# Altium PCB Holberton.PcbDoc (part 2 of 6)
Units mil, origin at the board's own origin, x right, y up, seen from the top; angles counter-clockwise.
Board outline 2963.39 x 3031.46 mil, 6 copper layers (Top Layer, GND, SL1, SL2, PWR, Bottom Layer), stack 30.516 mil thick; 455 components, 409 nets, 1505 pads, 1106 vias.
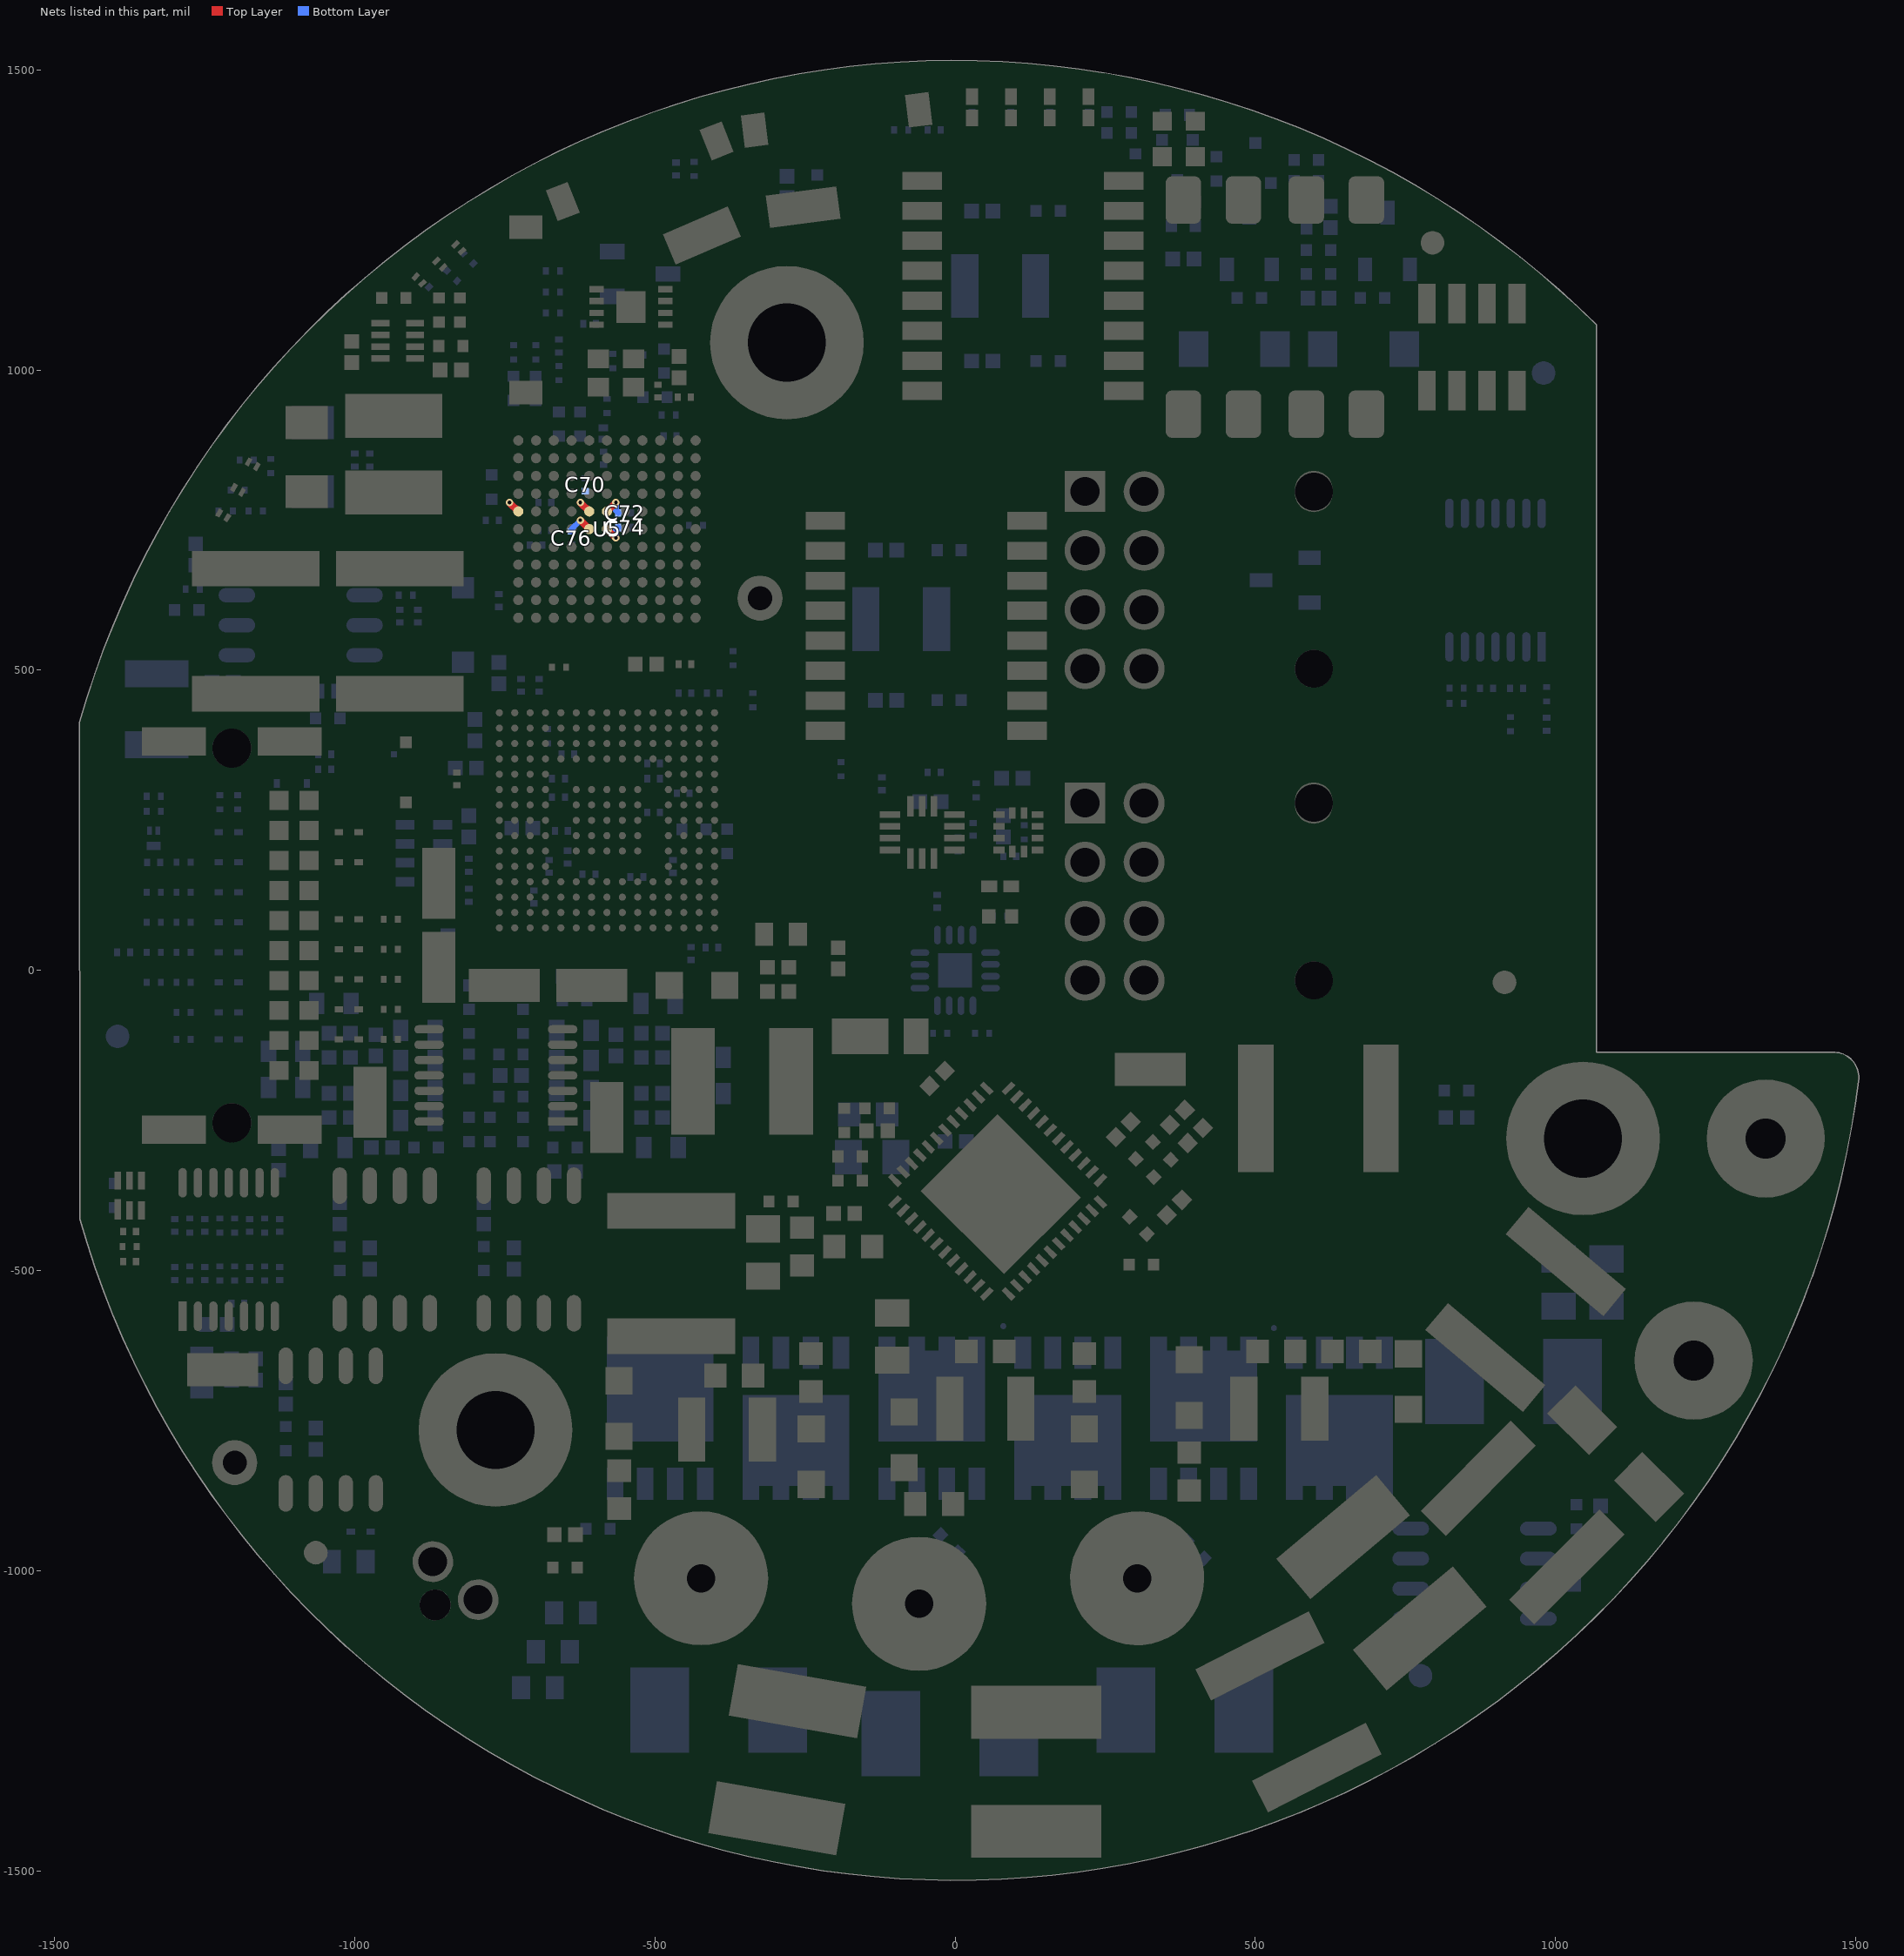
[diagram p6: the nets of this part, all layers, seen from the top]

## Footprints (in the part's own frame and the unit in brackets; to place one, negate y for a bottom-side part, rotate by r counter-clockwise, add the part's x,y. Pads: shape width x height; smd on the part's side, far side on the other; paste and mask are expansions set on the pad) (continued)
BGA121C75P11X11_900X900X145 [mil]
  round 17 smd paste-0.98 mask+1.97: A1(-147.64,147.64) A2(-118.11,147.64) A3(-88.58,147.64) A4(-59.06,147.64) A5(-29.53,147.64) A6(0,147.64) A7(29.53,147.64) A8(59.06,147.64) A9(88.58,147.64) A10(118.11,147.64) A11(147.64,147.64) B1(-147.64,118.11) B2(-118.11,118.11) B3(-88.58,118.11) B4(-59.06,118.11) B5(-29.53,118.11) B6(0,118.11) B7(29.53,118.11) B8(59.06,118.11) B9(88.58,118.11) B10(118.11,118.11) B11(147.64,118.11) C1(-147.64,88.58) C2(-118.11,88.58) C3(-88.58,88.58) C4(-59.06,88.58) C5(-29.53,88.58) C6(0,88.58) C7(29.53,88.58) C8(59.06,88.58) C9(88.58,88.58) C10(118.11,88.58) C11(147.64,88.58) D1(-147.64,59.06) D2(-118.11,59.06) D3(-88.58,59.06) D4(-59.06,59.06) D5(-29.53,59.06) D6(0,59.06) D7(29.53,59.06) D8(59.06,59.06) D9(88.58,59.06) D10(118.11,59.06) D11(147.64,59.06) E1(-147.64,29.53) E2(-118.11,29.53) E3(-88.58,29.53) E4(-59.06,29.53) E5(-29.53,29.53) E6(0,29.53) E7(29.53,29.53) E8(59.06,29.53) E9(88.58,29.53) E10(118.11,29.53) E11(147.64,29.53) F1(-147.64,0) F2(-118.11,0) F3(-88.58,0) F4(-59.06,0) F5(-29.53,0) F6(0,0) F7(29.53,0) F8(59.06,0) F9(88.58,0) F10(118.11,0) F11(147.64,0) G1(-147.64,-29.53) G2(-118.11,-29.53) G3(-88.58,-29.53) G4(-59.06,-29.53) G5(-29.53,-29.53) G6(0,-29.53) G7(29.53,-29.53) G8(59.06,-29.53) G9(88.58,-29.53) G10(118.11,-29.53) G11(147.64,-29.53) H1(-147.64,-59.06) H2(-118.11,-59.06) H3(-88.58,-59.06) H4(-59.06,-59.06) H5(-29.53,-59.06) H6(0,-59.06) H7(29.53,-59.06) H8(59.06,-59.06) H9(88.58,-59.06) H10(118.11,-59.06) H11(147.64,-59.06) J1(-147.64,-88.58) J2(-118.11,-88.58) J3(-88.58,-88.58) J4(-59.06,-88.58) J5(-29.53,-88.58) J6(0,-88.58) J7(29.53,-88.58) J8(59.06,-88.58) J9(88.58,-88.58) J10(118.11,-88.58) J11(147.64,-88.58) K1(-147.64,-118.11) K2(-118.11,-118.11) K3(-88.58,-118.11) K4(-59.06,-118.11) K5(-29.53,-118.11) K6(0,-118.11) K7(29.53,-118.11) K8(59.06,-118.11) K9(88.58,-118.11) K10(118.11,-118.11) K11(147.64,-118.11) L1(-147.64,-147.64) L2(-118.11,-147.64) L3(-88.58,-147.64) L4(-59.06,-147.64) L5(-29.53,-147.64) L6(0,-147.64) L7(29.53,-147.64) L8(59.06,-147.64) L9(88.58,-147.64) L10(118.11,-147.64) L11(147.64,-147.64)
  silkscreen extent -177,-177 177,177, body extent -177,-177 177,177, height 55
BGS201C65P15X15_1000X1000X60 [mm]
  round 0.3 smd mask+0.05: A1(-4.55,4.55) A2(-3.9,4.55) A3(-3.25,4.55) A4(-2.6,4.55) A5(-1.95,4.55) A6(-1.3,4.55) A7(-0.65,4.55) A8(0,4.55) A9(0.65,4.55) A10(1.3,4.55) A11(1.95,4.55) A12(2.6,4.55) A13(3.25,4.55) A14(3.9,4.55) A15(4.55,4.55) B1(-4.55,3.9) B2(-3.9,3.9) B3(-3.25,3.9) B4(-2.6,3.9) B5(-1.95,3.9) B6(-1.3,3.9) B7(-0.65,3.9) B8(0,3.9) B9(0.65,3.9) B10(1.3,3.9) B11(1.95,3.9) B12(2.6,3.9) B13(3.25,3.9) B14(3.9,3.9) B15(4.55,3.9) C1(-4.55,3.25) C2(-3.9,3.25) C3(-3.25,3.25) C4(-2.6,3.25) C5(-1.95,3.25) C6(-1.3,3.25) C7(-0.65,3.25) C8(0,3.25) C9(0.65,3.25) C10(1.3,3.25) C11(1.95,3.25) C12(2.6,3.25) C13(3.25,3.25) C14(3.9,3.25) C15(4.55,3.25) D1(-4.55,2.6) D2(-3.9,2.6) D3(-3.25,2.6) D4(-2.6,2.6) D5(-1.95,2.6) D6(-1.3,2.6) D7(-0.65,2.6) D8(0,2.6) D9(0.65,2.6) D10(1.3,2.6) D11(1.95,2.6) D12(2.6,2.6) D13(3.25,2.6) D14(3.9,2.6) D15(4.55,2.6) E1(-4.55,1.95) E2(-3.9,1.95) E3(-3.25,1.95) E4(-2.6,1.95) E12(2.6,1.95) E13(3.25,1.95) E14(3.9,1.95) E15(4.55,1.95) F1(-4.55,1.3) F2(-3.9,1.3) F3(-3.25,1.3) F4(-2.6,1.3) F6(-1.3,1.3) F7(-0.65,1.3) F8(0,1.3) F9(0.65,1.3) F10(1.3,1.3) F12(2.6,1.3) F13(3.25,1.3) F14(3.9,1.3) F15(4.55,1.3) G1(-4.55,0.65) G2(-3.9,0.65) G3(-3.25,0.65) G4(-2.6,0.65) G6(-1.3,0.65) G7(-0.65,0.65) G8(0,0.65) G9(0.65,0.65) G10(1.3,0.65) G12(2.6,0.65) G13(3.25,0.65) G14(3.9,0.65) G15(4.55,0.65) H1(-4.55,0) H2(-3.9,0) H3(-3.25,0) H4(-2.6,0) H6(-1.3,0) H7(-0.65,0) H8(0,0) H9(0.65,0) H10(1.3,0) H12(2.6,0) H13(3.25,0) H14(3.9,0) H15(4.55,0) J1(-4.55,-0.65) J2(-3.9,-0.65) J3(-3.25,-0.65) J4(-2.6,-0.65) J6(-1.3,-0.65) J7(-0.65,-0.65) J8(0,-0.65) J9(0.65,-0.65) J10(1.3,-0.65) J12(2.6,-0.65) J13(3.25,-0.65) J14(3.9,-0.65) J15(4.55,-0.65) K1(-4.55,-1.3) K2(-3.9,-1.3) K3(-3.25,-1.3) K4(-2.6,-1.3) K6(-1.3,-1.3) K7(-0.65,-1.3) K8(0,-1.3) K9(0.65,-1.3) K10(1.3,-1.3) K12(2.6,-1.3) K13(3.25,-1.3) K14(3.9,-1.3) K15(4.55,-1.3) L1(-4.55,-1.95) L2(-3.9,-1.95) L3(-3.25,-1.95) L4(-2.6,-1.95) L12(2.6,-1.95) L13(3.25,-1.95) L14(3.9,-1.95) L15(4.55,-1.95) M1(-4.55,-2.6) M2(-3.9,-2.6) M3(-3.25,-2.6) M4(-2.6,-2.6) M5(-1.95,-2.6) M6(-1.3,-2.6) M7(-0.65,-2.6) M8(0,-2.6) M9(0.65,-2.6) M10(1.3,-2.6) M11(1.95,-2.6) M12(2.6,-2.6) M13(3.25,-2.6) M14(3.9,-2.6) M15(4.55,-2.6) N1(-4.55,-3.25) N2(-3.9,-3.25) N3(-3.25,-3.25) N4(-2.6,-3.25) N5(-1.95,-3.25) N6(-1.3,-3.25) N7(-0.65,-3.25) N8(0,-3.25) N9(0.65,-3.25) N10(1.3,-3.25) N11(1.95,-3.25) N12(2.6,-3.25) N13(3.25,-3.25) N14(3.9,-3.25) N15(4.55,-3.25) P1(-4.55,-3.9) P2(-3.9,-3.9) P3(-3.25,-3.9) P4(-2.6,-3.9) P5(-1.95,-3.9) P6(-1.3,-3.9) P7(-0.65,-3.9) P8(0,-3.9) P9(0.65,-3.9) P10(1.3,-3.9) P11(1.95,-3.9) P12(2.6,-3.9) P13(3.25,-3.9) P14(3.9,-3.9) P15(4.55,-3.9) R1(-4.55,-4.55) R2(-3.9,-4.55) R3(-3.25,-4.55) R4(-2.6,-4.55) R5(-1.95,-4.55) R6(-1.3,-4.55) R7(-0.65,-4.55) R8(0,-4.55) R9(0.65,-4.55) R10(1.3,-4.55) R11(1.95,-4.55) R12(2.6,-4.55) R13(3.25,-4.55) R14(3.9,-4.55) R15(4.55,-4.55)
  silkscreen extent -5,-5 5,5, body extent -5,-5 5,5, height 0.6
C0201 [mm] "Chip Capacitor, 2-Leads, Body 0.6x0.3mm, IPC High Density"
  rect 0.26x0.32 smd mask+0.05: 1(-0.27,0) 2(0.27,0)
  body extent -0.31,-0.17 0.32,0.17, height 0.33
C0402 [mm] "Chip Capacitor, 2-Leads, Body 1.0x0.5mm, IPC High Density"
  rect 0.62x0.62 smd mask+0.05: 1(-0.45,0) 2(0.45,0)
  body extent -0.53,-0.28 0.53,0.28, height 0.55
C0603 [mm] "Chip Capacitor, 2-Leads, Body 1.6x0.8mm, IPC High Density"
  rect 0.95x1 smd mask+0.05: 1(-0.8,0) 2(0.8,0)
  silkscreen extent -0.1,-0.4 0.1,0.4, body extent -0.8,-0.4 0.8,0.4, height 0.9
C0805 [mm] "Chip Capacitor, 2-Leads, Body 2.0x1.3mm, IPC High Density"
  rect 1.15x1.45 smd mask+0.05: 1(-1,0) 2(1,0)
  silkscreen extent -0.25,-0.65 0.25,0.65, body extent -1,-0.62 1,0.63, height 1.4
C1206 [mil] "Chip Capacitor, Body 3.2x1.6mm, IPC High Density, CHECKED BY DN_TN - 06Dec22"
  rect 55x70 smd mask+2.5: 1(-57.5,0) 2(57.5,0)
  Top Layer keep-out region: -24.96,-35 25.04,-35 25.04,35 -24.96,35
  silkscreen extent -95,-45 95,45, body extent -63,-31 63,32, height 71
C1210 [mm] "Chip Capacitor, 2-Leads, Body 3.2x2.5mm, IPC High Density"
  rect 1.15x2.7 smd mask+0.05: 1(-1.5,0) 2(1.5,0)
  silkscreen extent -0.7,-1.25 0.7,1.25, body extent -1.6,-1.25 1.6,1.25, height 1.78
C2220 [mm] "Chip Capacitor, 2-Leads, Body 5.7x5.0mm, IPC High Density"
  rect 1.5x5.4 smd mask+0.05: 1(-2.65,0) 2(2.65,0)
  silkscreen extent -1.68,-2.5 1.68,2.5, body extent -2.8,-2.5 2.8,2.5, height 2.54
CAP_CKG57NX7S2A226M500JJ [mil] "CKG57NX7S2A226M500JJ  [TDK], CREATED BY DN_MN-10NOV23, CHECKED BY DN_AV-10NOV23;CHECKED BY DN_QN - 10NOV23(pastemask)"
  rect 87.99x217 smd paste-100 mask+2.5: 1(-99.11,0) 2(99.11,0)
  silkscreen extent -47,-116 47,116, body extent -118,-98 118,98, height 217
COILCRAFT_LPS3015-473 [mil] "LPS3015-473MRB ; CREATED BY DN_TN - 01DEC22,CHECKED BY DN_AV-06DEC22"
  rect 10x10 smd paste-20: 1(-50,0) 2(50,0)
  Top Layer region: 20,60 55,60 65,50 65,-50 55,-60 20,-60 20,-32.5 35,-20 35,20 20,32.5 20,60
  Top Layer region: -20,60 -55,60 -65,50 -65,-50 -55,-60 -20,-60 -20,-32.5 -35,-20 -35,20 -20,32.5 -20,60
  silkscreen extent -14,-60 14,60, body extent -58,-58 58,58, height 55
CON_M55-7102042R [mm] "M55-7102042R  [HARWIN], CREATED BY DN_AV - 02DEC22;CHECKED BY DN_QN - 07DEC22,decreased keepout to support layout by DN_MN-30OCT23"
  rect 0.8x0.8 smd mask+0.064: 1(5.715,4) 2(5.715,5.27) 3(4.445,4) 4(4.445,5.27) 5(3.175,4) 6(3.175,5.27) 7(1.905,4) 8(1.905,5.27) 9(0.635,4) 10(0.635,5.27) 11(-0.635,4) 12(-0.635,5.27) 13(-1.905,4) 14(-1.905,5.27) 15(-3.175,4) 16(-3.175,5.27) 17(-4.445,4) 18(-4.445,5.27) 19(-5.715,4) 20(-5.715,5.27)
  rect 1.2x2.7 smd mask+0.064: MH1(-8.21,4.45) MH2(-8.21,-0.45) MH3(8.21,4.45) MH4(8.21,-0.45)
  round 1.651 hole 1.651 unplated mask+0: ""(-7.925,2) ""(7.925,2)
  Keep-Out Layer region: -7.925,0.794 -8.387,0.885 -8.778,1.147 -9.04,1.538 -9.132,2 -9.132,2 -9.04,2.462 -8.778,2.853 -8.387,3.115 -7.925,3.207 -7.925,3.207 -7.463,3.115 -7.072,2.853 -6.81,2.462 -6.719,2 -6.719,2 -6.81,1.538 -7.072,1.147 -7.463,0.885 -7.925,0.794
  Keep-Out Layer region: 7.925,0.794 7.463,0.885 7.072,1.147 6.81,1.538 6.719,2 6.719,2 6.81,2.462 7.072,2.853 7.463,3.115 7.925,3.207 7.925,3.207 8.387,3.115 8.778,2.853 9.04,2.462 9.132,2 9.132,2 9.04,1.538 8.778,1.147 8.387,0.885 7.925,0.794
  silkscreen extent -7.73,-4.4 9.6,4.4, body extent -8.89,-4.4 8.89,5.6, height 4.2
FB_ARRAY_BLA31AG221SN4D [mm]
  rect 0.8x0.4 smd mask+0.05: 1(-0.8,1.2) 2(-0.8,0.4) 3(-0.8,-0.4) 4(-0.8,-1.2) 5(0.8,1.2) 6(0.8,0.4) 7(0.8,-0.4) 8(0.8,-1.2)
  silkscreen extent -0.8,-1.6 0.8,1.6, body extent -0.8,-1.6 0.8,1.6, height 1
FIDUCIAL_1MM [mm] "FIDUCIAL 1MM COPPER CIRCLE 3MM MASK PULLBACK"
  round 1 smd paste-1 mask+0.05: 1(0,0)
  Top Layer keep-out circle w1: c0,0 r1
IND_74404054221 [mil] "74404054221 [Würth Elektronik], CREATED BY DN_MN-10NOV23, CHECKED BY DN_AV-10NOV23"
  rect 73x178 smd paste-100 mask+2.5: 1(-81.78,0) 2(81.78,0)
  Top Layer keep-out region: -37,-80 36,-80 36,78 -37,78
  silkscreen extent -80,-110 80,110, body extent -98,-98 98,98, height 157
IND_78438357047 [mm] "PN: 78438357047 ; MODIFIED BY DN_QN - 20OCT23. CHECKED BY DN_AV-20OCT23"
  rect 1.855x4.1 smd paste-4.1 mask+0.064: 1(-1.623,0) 2(1.623,0)
  Top Layer keep-out region: -0.695,-2.05 0.695,-2.05 0.695,2.05 -0.695,2.05
  silkscreen extent -2.15,-2.4 2.15,2.4, body extent -2.05,-2.05 2.05,2.05, height 3.2
IND_LPS3015-152MRB [mm]
  rect 0.5x0.5 smd mask+0.05: 1(-1.27,0) 2(1.27,0)
  Top Layer region: 1.65,-1.27 1.395,-1.525 0.51,-1.525 0.51,-0.825 0.89,-0.51 0.89,0.51 0.51,0.825 0.51,1.525 1.395,1.525 1.65,1.27
  Top Layer region: -1.65,1.27 -1.395,1.525 -0.51,1.525 -0.51,0.825 -0.89,0.51 -0.89,-0.51 -0.51,-0.832 -0.51,-1.525 -1.395,-1.525 -1.65,-1.27
  silkscreen extent -1.91,-1.51 0.25,1.75, body extent -1.51,-1.52 1.52,1.51, height 1.5
INDC160X80X105L30N [mm] "Chip Inductor, 2-Leads, Body 1.60x0.80mm, IPC Medium Density"
  rect 0.77x0.98 smd: 1(-0.715,0) 2(0.715,0)
  body extent -0.87,-0.48 0.88,0.48, height 1.05
KEYSTONE_8737 [mil] "8737[Keystone],COLLECTED BY DN_MN-19OCT23; CHECKED BY DN_QN - 20OCT23,UPDATE TOP PAD BY DN_MN-07NOV23"
  round 223.5 / inner round 67 / far side round 67 hole 47 mask+2.5: 1(0,0)
  silkscreen extent -149,-89 119,89, body extent -137,-79 105,79, height 311
L0201_H0.33MM [mm]
  rect 0.3x0.4 smd mask+0.05: 1(-0.24,0) 2(0.24,0)
  body extent -0.3,-0.18 0.3,0.18, height 0.33
LED_APG0603SYC-TT [mm]
  rect 0.2x0.35 smd mask+0.05: A(0.2,0) K(-0.2,0)
  body extent -0.32,-0.17 0.33,0.18, height 0.25
LED_APHHS1005LCGCK [mm]
  rect 0.7x0.5 smd mask+0.05: A(0.45,0) K(-0.45,0)
  body extent -0.5,-0.25 0.5,0.25, height 0.49
LED_APHHS1005SURCK [mil] "PN: APHHS1005SURCK ; MODIFIED BY DN_QN - 20OCT23,CHECKED BY DN_AV - 20OCT23"
  rect 26.57x20 smd mask+1: A(18.21,0) K(-18.21,0)
  Top Layer keep-out region: -4.92,-10 4.92,-10 4.92,10 -4.92,10
  silkscreen extent -38,-18 38,18, body extent -20,-10 20,10, height 20
LED_SML-P11DTT86R [mil] "PN: SML-P11DTT86R ; MODIFIED BY DN_QN - 20OCT23,CHECKED BY DN_AV - 20OCT23"
  rect 22x23.62 smd mask+2.5: A(19,0) K(-19,0)
  Top Layer keep-out region: -7.5,-11.74 7.5,-11.74 7.5,11.68 -7.5,11.68
  silkscreen extent -38,-18 38,18, body extent -22,-12 22,12, height 9
LEDSC160X80X90L40-BLUE [mm] "LED, Side Concave, 2-Leads, Body 1.60x0.80mm"
  rect 0.8x0.8 smd: 1(-0.75,0) 2(0.75,0)
  silkscreen extent -1.45,-0.69 0.86,0.69, body extent -0.8,-0.4 0.8,0.4, height 0.8
LEDSC160X80X90L40-GREEN [mm] "LED, Side Concave, 2-Leads, Body 1.60x0.80mm"
  rect 0.8x0.8 smd: 1(-0.75,0) 2(0.75,0)
  silkscreen extent -1.45,-0.69 0.86,0.69, body extent -0.8,-0.4 0.8,0.4, height 0.8
"MOLEX 1053092302" [mil] "PN:1053092302  ; MODIFIED BY DN_QN - 20OCT23,CHECKED BY DN_MN-20OCT23,decreased keepout to support layout by DN_MN-30OCT23"
  round 68 hole 48 mask+2.5: 1(0,0) 2(98.43,0)
  round 52 hole 52 unplated mask+5: ""(49.21,-52.76)
  Keep-Out Layer region: 8.21,-52.76 11.33,-68.45 20.22,-81.75 33.52,-90.63 49.21,-93.76 49.21,-93.76 64.9,-90.63 78.2,-81.75 87.09,-68.45 90.21,-52.76 90.21,-52.76 87.09,-37.07 78.2,-23.76 64.9,-14.88 49.21,-11.76 49.21,-11.76 33.52,-14.88 20.22,-23.76 11.33,-37.07 8.21,-52.76
  silkscreen extent -80,-193 178,109, body extent -68,-181 166,69, height 414
MOLEX_1053141308 [mil] "1053141308 [Molex]; MODIFIED BY DN_TN - 29NOV22,CHECKED BY DN_AV-06DEC22,ADDED indicate silk,assem, decreased keepout to support layout by DN_MN-30OCT23"
  rect 68x68 / inner round 68 / far side rect 68x68 hole 48 mask+2.5: 1(0,0)
  round 68 hole 48 mask+2.5: 2(-98.42,0) 3(-196.85,0) 4(-295.28,0) 5(0,-98.43) 6(-98.42,-98.43) 7(-196.85,-98.43) 8(-295.28,-98.43)
  round 62.99 hole 62.99 unplated mask+5: " "(-295.28,-381.1)
  oval 68.9x62.99 hole 62.99 slot 68.9 at 0 deg unplated mask+5: " "(0,-381.1)
  Keep-Out Layer region: -2.95,-427.6 2.95,-427.6 23.13,-422.99 39.3,-410.09 48.28,-391.45 48.28,-370.76 39.3,-352.11 23.13,-339.21 2.95,-334.61 2.95,-334.61 -2.95,-334.61 -23.13,-339.21 -39.3,-352.11 -48.28,-370.76 -48.28,-391.45 -39.3,-410.09 -23.13,-422.99 -2.95,-427.6
  Keep-Out Layer region: -341.77,-381.1 -338.23,-398.9 -328.15,-413.98 -313.07,-424.06 -295.28,-427.6 -295.28,-427.6 -277.48,-424.06 -262.4,-413.98 -252.32,-398.9 -248.78,-381.1 -248.78,-381.1 -252.32,-363.31 -262.4,-348.22 -277.48,-338.15 -295.28,-334.61 -295.28,-334.61 -313.07,-338.15 -328.15,-348.22 -338.23,-363.31 -341.77,-381.1
  silkscreen extent -363,-565 68,90, body extent -363,-565 68,13, height 360
MPS_MA732GQ-Z [mil] "PN: MA732GQ-Z  ; MODIFIED BY DN_QN - 20OCT23,CHECKED BY DN_MN-20OCT23"
  oval 31x11 smd mask+2.5: 1(-58.81,29.53) 2(-58.81,9.84) 3(-58.81,-9.84) 4(-58.81,-29.53) 9(58.81,-29.53) 10(58.81,-9.84) 11(58.81,9.84) 12(58.81,29.53)
  oval 11x31 smd mask+2.5: 5(-29.53,-58.81) 6(-9.84,-58.81) 7(9.84,-58.81) 8(29.53,-58.81) 13(29.53,58.81) 14(9.84,58.81) 15(-9.84,58.81) 16(-29.53,58.81)
  rect 56.61x56.61 smd paste-57 mask+2.5: 17(0,0)
  silkscreen extent -105,-69 69,69, body extent -59,-59 59,59, height 30
NETTIE_10MIL [mil] "Net Tie 10 mils x 50 mils"
  round 10 smd paste-10 mask+4: 1(0,0) 2(0,-40)
  Top Layer lines w10: 0,0 0,-40
NETTIE_0402 [mm]
  rect 0.62x0.62 smd paste-0.62 mask-0.62: 1(-0.45,0) 2(0.45,0)
  Top Layer region: -0.178,0.27 0.178,0.27 0.178,-0.27 -0.178,-0.27
OPTO_HCPL-817-56CE [mm]
  rrect35% 2x1.5 smd mask+0.05: 1(-4.53,1.27) 2(-4.53,-1.27) 3(4.53,-1.27) 4(4.53,1.27)
  silkscreen extent -5.84,-2.3 3.25,2.67, body extent -3.25,-2.3 3.25,2.3, height 4.6
POWERDI123_DFLS1100-7 [mm]
  rect 1.05x1.5 smd mask+0.05: A(-1.525,0)
  rect 2.4x1.5 smd mask+0.05: K(0.85,0)
  silkscreen extent -1.5,-1.12 2.31,0.96, body extent -1.85,-0.89 1.85,0.89, height 0.99
PULSE_HXXXX [mm] "SOP, 16-Leads, Body 12.70x7.11mm, Pitch 1.27mm, IPC Medium Density"
  rect 1.67x0.76 smd: 1(-4.265,4.445) 2(-4.265,3.175) 3(-4.265,1.905) 4(-4.265,0.635) 5(-4.265,-0.635) 6(-4.265,-1.905) 7(-4.265,-3.175) 8(-4.265,-4.445) 9(4.265,-4.445) 10(4.265,-3.175) 11(4.265,-1.905) 12(4.265,-0.635) 13(4.265,0.635) 14(4.265,1.905) 15(4.265,3.175) 16(4.265,4.445)
  silkscreen extent -4.39,-6.35 3.15,6.35, body extent -4.76,-6.35 4.76,6.35, height 5.97
R0201 [mm] "Chip Resistor, 2-Leads, Body 0.6x0.3mm, IPC High Density"
  rect 0.25x0.3 smd mask+0.05: 1(-0.3,0) 2(0.3,0)
  body extent -0.3,-0.15 0.3,0.15, height 0.23
R0402 [mm]
  rect 0.475x0.5 smd mask+0.05: 1(-0.513,0) 2(0.513,0)
  silkscreen extent -0.1,-0.28 0.1,0.28, body extent -0.5,-0.25 0.5,0.25, height 0.35
R0603 [mm] "Chip Resistor, 2-Leads, Body 1.6x0.8mm, IPC High Density"
  rect 0.65x0.9 smd mask+0.05: 1(-0.725,0) 2(0.725,0)
  silkscreen extent -0.23,-0.4 0.23,0.4, body extent -0.8,-0.4 0.8,0.4, height 0.45
R0805 [mm] "Chip Resistor, 2-Leads, Body 2.0x1.3mm, IPC High Density"
  rect 1.15x1.15 smd mask+0.05: 1(-1.175,0) 2(1.175,0)
  silkscreen extent -0.4,-0.63 0.4,0.63, body extent -1,-0.62 1,0.63, height 0.6
R1206 [mm] "Chip Resistor, 2-Leads, Body 3.1x1.6mm, IPC High Density"
  rect 1.25x1.5 smd mask+0.05: 1(-1.725,0) 2(1.725,0)
  silkscreen extent -0.92,-0.8 0.92,0.8, body extent -1.6,-0.8 1.6,0.8, height 0.6
R2512#1 [mil] "TLR3A30DR0015FTDG [TE]; CREATED BY DN_AV - 02DEC22; CHECKED BY DN_TN - 06DEC22,CHECKED BY DN_MN-15DEC22(soldermask,keepout)"
  rect 98x142 smd mask+2.5: 1(-98.21,0) 2(98.21,0)
  Top Layer keep-out region: -48.62,70.65 48.16,70.65 48.16,-71.06 -48.62,-71.06
  silkscreen extent -41,-68 41,68, body extent -125,-63 125,63, height 10
R2512#2 [mil] "TLR3A30DR0015FTDG [TE]; CREATED BY DN_AV - 02DEC22; CHECKED BY DN_TN - 06DEC22,CHECKED BY DN_MN-15DEC22(soldermask,keepout)"
  rect 98x142 smd mask+2.5: 1(-98.21,0) 2(98.21,0)
  Top Layer keep-out region: -27.19,70.65 -7.19,70.65 -7.19,-71.06 -27.19,-71.06
  silkscreen extent -41,-68 41,68, body extent -125,-63 125,63, height 10
R2512#3 [mil] "TLR3A30DR0015FTDG [TE]; CREATED BY DN_AV - 02DEC22; CHECKED BY DN_TN - 06DEC22,CHECKED BY DN_MN-15DEC22(soldermask,keepout)"
  rect 98x142 smd mask+2.5: 1(-98.21,0) 2(98.21,0)
  Top Layer keep-out region: -14.15,70.65 10.85,70.65 10.85,-71.06 -14.15,-71.06
  silkscreen extent -41,-68 41,68, body extent -125,-63 125,63, height 10
SAMTEC_FLE-104-01-G-DV-TR [mm]
  rect 0.74x1.675 smd: 1(-1.905,1.843) 2(-1.905,-1.843) 3(-0.635,1.843) 4(-0.635,-1.843) 5(0.635,1.843) 6(0.635,-1.843) 7(1.905,1.843) 8(1.905,-1.843)
  silkscreen extent -2.63,-1.67 2.63,3.54, body extent -2.6,-2.3 2.6,2.3, height 4.57
SMA_B130-13-F [mm]
  rect 2.5x1.7 smd mask+0.05: A(2,0) K(-2,0)
  silkscreen extent -2.3,-1.46 2.3,1.46, body extent -2.8,-1.46 2.8,1.46, height 2.35
SOD1060X40 [mm]
  rect 0.36x0.25 smd mask+0.051: A(0.42,0) K(-0.42,0)
  silkscreen extent -0.8,-0.33 0.43,0.33, body extent -0.43,-0.33 0.43,0.33, height 0.4
SOD-123_H1.35MM [mm]
  rect 0.9x0.95 smd mask+0.051: A(1.575,0) K(-1.575,0)
  silkscreen extent -1.35,-0.85 1.35,0.85, body extent -1.85,-0.77 1.85,0.78, height 1.26
SOIC127P600X175-8N [mm] "SOIC, 8-Leads, Body 4.91x3.90mm, Pitch 1.27mm, IPC Medium Density"
  oval 1.55x0.6 smd: 1(-2.7,1.905) 2(-2.7,0.635) 3(-2.7,-0.635) 4(-2.7,-1.905) 5(2.7,-1.905) 6(2.7,-0.635) 7(2.7,0.635) 8(2.7,1.905)
  silkscreen extent -4.06,-2.5 1.6,2.5, body extent -3,-2.5 3,2.5, height 1.75
SOT23-3 [mm] "MMBT3904  ['NTE Electronics],MODIFIED BY DN_MN-15NOV23; CHECKED BY DN_QN - 15NOV23"
  rect 1.05x0.66 smd mask+0.064: 1(-1.175,0.95) 2(-1.175,-0.95) 3(1.175,0)
  silkscreen extent -1.35,-1.7 0.85,1.87, body extent -1.21,-1.45 1.21,1.45, height 1.02
SOT23-3P95_240X110L43N [mm] "SOT23, 3-Leads, Body 2.92x2.37mm, Pitch 0.95mm, IPC Medium Density"
  rect 1x0.6 smd: 1(-1.2,0.95) 2(-1.2,-0.95) 3(1.2,0)
  silkscreen extent -1.32,-1.5 0.7,1.93, body extent -1.32,-1.52 1.32,1.52, height 1.11
SOT-583 [mil] "TPS62933PDRLR  ; CREATED BY DN_TN - 02DEC22,CHECKED BY DN_AV-06DEC22"
  rect 30x11 smd mask+2.5: 1(-28.78,29.53) 2(-28.78,9.84) 3(-28.78,-9.84) 4(-28.78,-29.53) 5(28.78,-29.53) 6(28.78,-9.84) 7(28.78,9.84) 8(28.78,29.53)
  silkscreen extent -46,-43 26,56, body extent -31,-41 31,41, height 24
SW_KSR253GLFG [mm] "KSR253GLFG ; CREATED BY DN_TN - 01DEC22,CHECKED BY DN_AV-06DEC22, REDUCED FP SAME AS RECOMEND to support layout by DN_MN-31OCT23"
  rect 1x1.4 smd mask+0.064: 1(-3.5,0) 2(3.5,0)
  silkscreen extent -3,-1.9 3,2.79, body extent -3.65,-1.92 3.65,1.92, height 2.5
"TI SOIC-8 D0008A" [mm] "Package SOIC-8, 8-Leades, 4.90 x 3.89 mm Body , Pitch 1.27 mm"
  oval 1.55x0.6 smd: 1(-2.7,1.905) 2(-2.7,0.635) 3(-2.7,-0.635) 4(-2.7,-1.905) 5(2.7,-1.905) 6(2.7,-0.635) 7(2.7,0.635) 8(2.7,1.905)
  silkscreen extent -3.65,-2.45 2.05,2.75, body extent -3,-2.45 3,2.45, height 1.75
TI_SON5X6 [mm] "SON, 8-Leads, Body 5.00x6.00mm, Pitch 1.27mm, IPC Medium Density"
  rect 1.372x0.71 smd: 1(-2.77,-0.635) 1(-2.77,0.635) 1(-2.77,1.905) 4(-2.77,-1.905) 5(2.77,-1.905) 5(2.77,-0.635) 5(2.77,0.635) 5(2.77,1.905)
  rect 3.85x4.52 smd: 5(0.94,0)
  silkscreen extent -3.94,-2.7 3.2,2.7, body extent -3.23,-2.59 2.87,2.51, height 1.05
TP_KEYSTONE_5001 [mil]
  round 75 hole 40: 1(0,0)
  body extent -50,-50 50,50, height 191
TP_KEYSTONE_5015 [mm]
  rect 3x1.4 smd: 1(0,0)
  body extent -1.33,-0.51 1.33,0.51, height 1.52
TUMT3 [mm]
  rect 0.5x0.5 smd mask+0.05: D(0,0.85) G(-0.65,-0.85) S(0.65,-0.85)
  silkscreen extent -1.08,-0.85 1.08,0.85, body extent -1,-1.05 1,1.05, height 0.89
VQFN50P700X700X100-48-TP_TP-CUST_NO_VIAS [mm]
  rect 0.6x0.24 smd mask+0.07: 1(-3.4,2.75) 2(-3.4,2.25) 3(-3.4,1.75) 4(-3.4,1.25) 5(-3.4,0.75) 6(-3.4,0.25) 7(-3.4,-0.25) 8(-3.4,-0.75) 9(-3.4,-1.25) 10(-3.4,-1.75) 11(-3.4,-2.25) 12(-3.4,-2.75) 25(3.4,-2.75) 26(3.4,-2.25) 27(3.4,-1.75) 28(3.4,-1.25) 29(3.4,-0.75) 30(3.4,-0.25) 31(3.4,0.25) 32(3.4,0.75) 33(3.4,1.25) 34(3.4,1.75) 35(3.4,2.25) 36(3.4,2.75)
  rect 0.24x0.6 smd mask+0.07: 13(-2.75,-3.4) 14(-2.25,-3.4) 15(-1.75,-3.4) 16(-1.25,-3.4) 17(-0.75,-3.4) 18(-0.25,-3.4) 19(0.25,-3.4) 20(0.75,-3.4) 21(1.25,-3.4) 22(1.75,-3.4) 23(2.25,-3.4) 24(2.75,-3.4) 37(2.75,3.4) 38(2.25,3.4) 39(1.75,3.4) 40(1.25,3.4) 41(0.75,3.4) 42(0.25,3.4) 43(-0.25,3.4) 44(-0.75,3.4) 45(-1.25,3.4) 46(-1.75,3.4) 47(-2.25,3.4) 48(-2.75,3.4)
  rect 4.6x4.975 smd paste-4.975 mask+0.07: 49(0,-0.188)
  silkscreen extent -3.5,-3.5 3.5,3.5, body extent -3.5,-3.5 3.5,3.5, height 1
XTAL_SIT8924BM-72-33N-100.000000 [mm]
  rect 0.9x0.8 smd mask+0.05: 1(-0.75,0.6) 2(-0.75,-0.6) 3(0.75,-0.6) 4(0.75,0.6)
  silkscreen extent -1.2,-1.2 1.2,1.2, body extent -0.8,-1 0.8,1, height 0.8

## Part data
C1 C3 C14 C15 C16 C20 C54 C86 C89 C140 C152 C159 C160 C168 C170 C172 C173 C174: library part 1762, "CAP, CER, X5R, 0.1uF, 10%, 50V, 0402, 0.55mm", Package=0402, Supplier Part Number 1=311-3342-1-ND, Voltage=50V, ComponentLink1URL=http://www.yageo.com/documents/recent/UPY-GPHC_X5R_4V-to-50V_25.pdf, MFG=YAGEO, MFG P/N=CC0402KRX5R9BB104, Status=Released, Supplier 1=Digi-Key
C2 C9 C84 C95 C99 C109 C113 C123: library part 215, "CAP, CER, X5R, 10uF, 10V, 20%, 0402, 0.7mm T", Package=0402, Supplier Part Number 1=1276-1450-1-ND, Voltage=10V, COMMON=150-00376-00, ComponentLink1URL=https://www.digikey.com/en/products/detail/samsung-electro-mechanics/CL05A106MP5NUNC/3887108, MFG=SAMSUNG, MFG P/N=CL05A106MP5NUNC, Status=Released, Supplier 1=Digi-Key
C4: library part 1033, "CAP, CER, NP0, 15pF, 25V, 5%, 0201, 0.9mm T", Package=0201, Supplier Part Number 1=445-4655-1-ND, Voltage=25V, COMMON=150-00968-00, ComponentLink1URL=https://www.digikey.com/en/products/detail/tdk-corporation/C0603C0G1E150J030BA/2050004, MFG=TDK, MFG P/N=C0603C0G1E150J030BA, Status=NRND, Supplier 1=Digi-Key
C5 C10 C29 C51 C52 C62 C63 C67 C68 C70 C71 C72 C73 C74 C75 C76 C78 C81 C88 C90 C91 C92 C93 C96 C98 C100 C101 C102 C104 C105 C106 C108 C111 C112 C114 C115 C116 C117 C119 C120 C122 C129 C155 C156 C157 C158 C163 C164 C165 C166 C167: library part 934, "CAP, CER, X6S, 0.1uF, 10V, 10%, 0201, AUTOGRADE", Package=0201, Supplier Part Number 1=490-12232-1-ND, Voltage=10V, COMMON=150-01178-00, ComponentLink1URL=https://search.murata.co.jp/Ceramy/image/img/A01X/G101/ENG/GRT033C81A104KE01-01.pdf, MFG=MURATA, MFG P/N=GRT033C81A104KE01D, Status=Released, Supplier 1=Digi-key
C6 C65: library part 163, "CAP CER 22UF 35V X5R 1206", Package=1206, Supplier Part Number 1=445-8045-1-ND, Voltage=35V, ComponentLink1URL=https://www.digikey.com/en/products/detail/tdk-corporation/C3216X5R1V226M160AC/2792261?s=N4IgTCBcDaIMIGYwEYBsANArAJWQNTDFQFk0AGAQThAF0BfIA, MFG="TDK Corporation", MFG P/N=C3216X5R1V226M160AC, Status=Released, Supplier 1=Digi-Key
C7 C8: library part 163, "CAP, CER, X7R, 47uF, 16V, 20%, AUTO GRADE, 2220, 2.5mm T", Package=2220, Supplier Part Number 1=445-7935-1-ND, Voltage=16V, COMMON=150-00499-00, ComponentLink1URL=https://www.digikey.com/en/products/detail/tdk-corporation/CGA9N3X7R1C476M230KB/2781361, MFG=TDK, MFG P/N=CGA9N3X7R1C476M230KB, Status=Released, Supplier 1=Digi-Key
C11: library part 156, "CAP, CER, X7R, 220pF, 16V, 10%, 0201, 0.33mm T", Package=0201, Supplier Part Number 1=490-6149-1-ND, Voltage=16V, COMMON=150-00794-00, ComponentLink1URL=https://www.digikey.com/en/products/detail/murata-electronics/GRM033R71C221KA01D/2543508, MFG=MURATA, MFG P/N=GRM033R71C221KA01D, Status=Released, Supplier 1=Digi-Key
C17 C46 C47 C48 C50: library part 207, "CAP, CER, X7S, 15uF, 100V, 20%, 2220, 2.8mm T", Package=2220, Supplier Part Number 1=810-CKG57KX7S2A156MH, Voltage=100V, ComponentLink1URL=https://www.mouser.com/ProductDetail/TDK/CKG57KX7S2A156M335JH?qs=xLDY6iXSiQZjzyWjP57ZVA%3D%3D, MFG=TDK, MFG P/N=CKG57KX7S2A156M335JH, Status=Released, Supplier 1=Mouser
C18 C24 C149 C169: library part 1717, "CAP, CER, X5R, 1uF, 10%, 25V, 0402", Package=0402, Supplier Part Number 1=445-9066-1-ND, Voltage=25V, COMMON=150-01202-00, ComponentLink1URL=https://product.tdk.com/info/en/catalog/datasheets/mlcc_commercial_general_en.pdf, MFG=TDK, MFG P/N=C1005X5R1E105K050BC, Status=Released, Supplier 1=Digi-Key
C19 C21 C22 C23 C45 C53 C55 C56 C58 C64 C79 C94 C127 C132 C146 C151 C153 C154 C171: library part 625, "CAP, CER, X7R, 0.01uF, 50V, 20%, 0402, 0.56mm T", Package=0402, Supplier Part Number 1=399-C0402C103M5RAC7867CT-ND, Voltage=50V, COMMON=150-00227-00, ComponentLink1URL=https://www.digikey.com/en/products/detail/kemet/C0402C103M5RAC7867/2196227, MFG=KEMET, MFG P/N=C0402C103M5RACTU, Status=Released, Supplier 1=Digi-Key
C25 C30 C150 C161 C162: library part 1093, "CAP, CER, X7S, 1uF, 20%, 100V, 0805", Package=0805, Supplier Part Number 1=445-7961-1-ND, Voltage=100V, COMMON=150-01093-00, ComponentLink1URL=https://www.digikey.com/en/products/detail/tdk-corporation/CGA4J3X7S2A105M125AE/2782484, MFG=TDK, MFG P/N=CGA4J3X7S2A105M125AE, Status=Released, Supplier 1=Digi-Key
C26 C31_PHA C31_PHB C31_PHC C145: library part 1039, "CAP, CER, X7S, 0.1uF, 100V, 10%, 0603, AUTOGRADE", Package=0603, Supplier Part Number 1=445-6938-1-ND, Voltage=100V, COMMON=150-00222-00, ComponentLink1URL=https://www.digikey.com/en/products/detail/tdk-corporation/CGA3E3X7S2A104K080AB/2672831, MFG=TDK, MFG P/N=CGA3E3X7S2A104K080AB, Status=Released, Supplier 1=Digi-Key
C27 C118 C125 C126: library part 240, "CAP, CER, X5R, 1uF, 6.3V, 20%, 0201, 0.33mm T", Package=0201, Supplier Part Number 1=1276-1325-1-ND, Voltage=6.3V, COMMON=150-00980-00, ComponentLink1URL=https://www.digikey.com/en/products/detail/samsung-electro-mechanics/CL03A105MQ3CSNC/3886983, MFG=SAMSUNG, MFG P/N=CL03A105MQ3CSNC, Status=Released, Supplier 1=Digi-Key
C28: library part 1838, "CAP, CER, X7R, 0.047uF, 100V, 10%, 0603, AUTOGRADE", Package=0603, Supplier Part Number 1=87-CL10B473KC8WPNC, Voltage=100V, ComponentLink1URL=https://www.mouser.com/ProductDetail/Samsung-Electro-Mechanics/CL10B473KC8WPNC?qs=xZ%2FP%252Ba9zWqZHK%252B26%2FNJNOA%3D%3D, MFG="Samsung Electro-Mechanics", MFG P/N=CL10B473KC8WPNC, Status=Released, Supplier 1=Mouser